# KiCad board HPM6750_COMBO_RevB .kicad_pcb (continued)
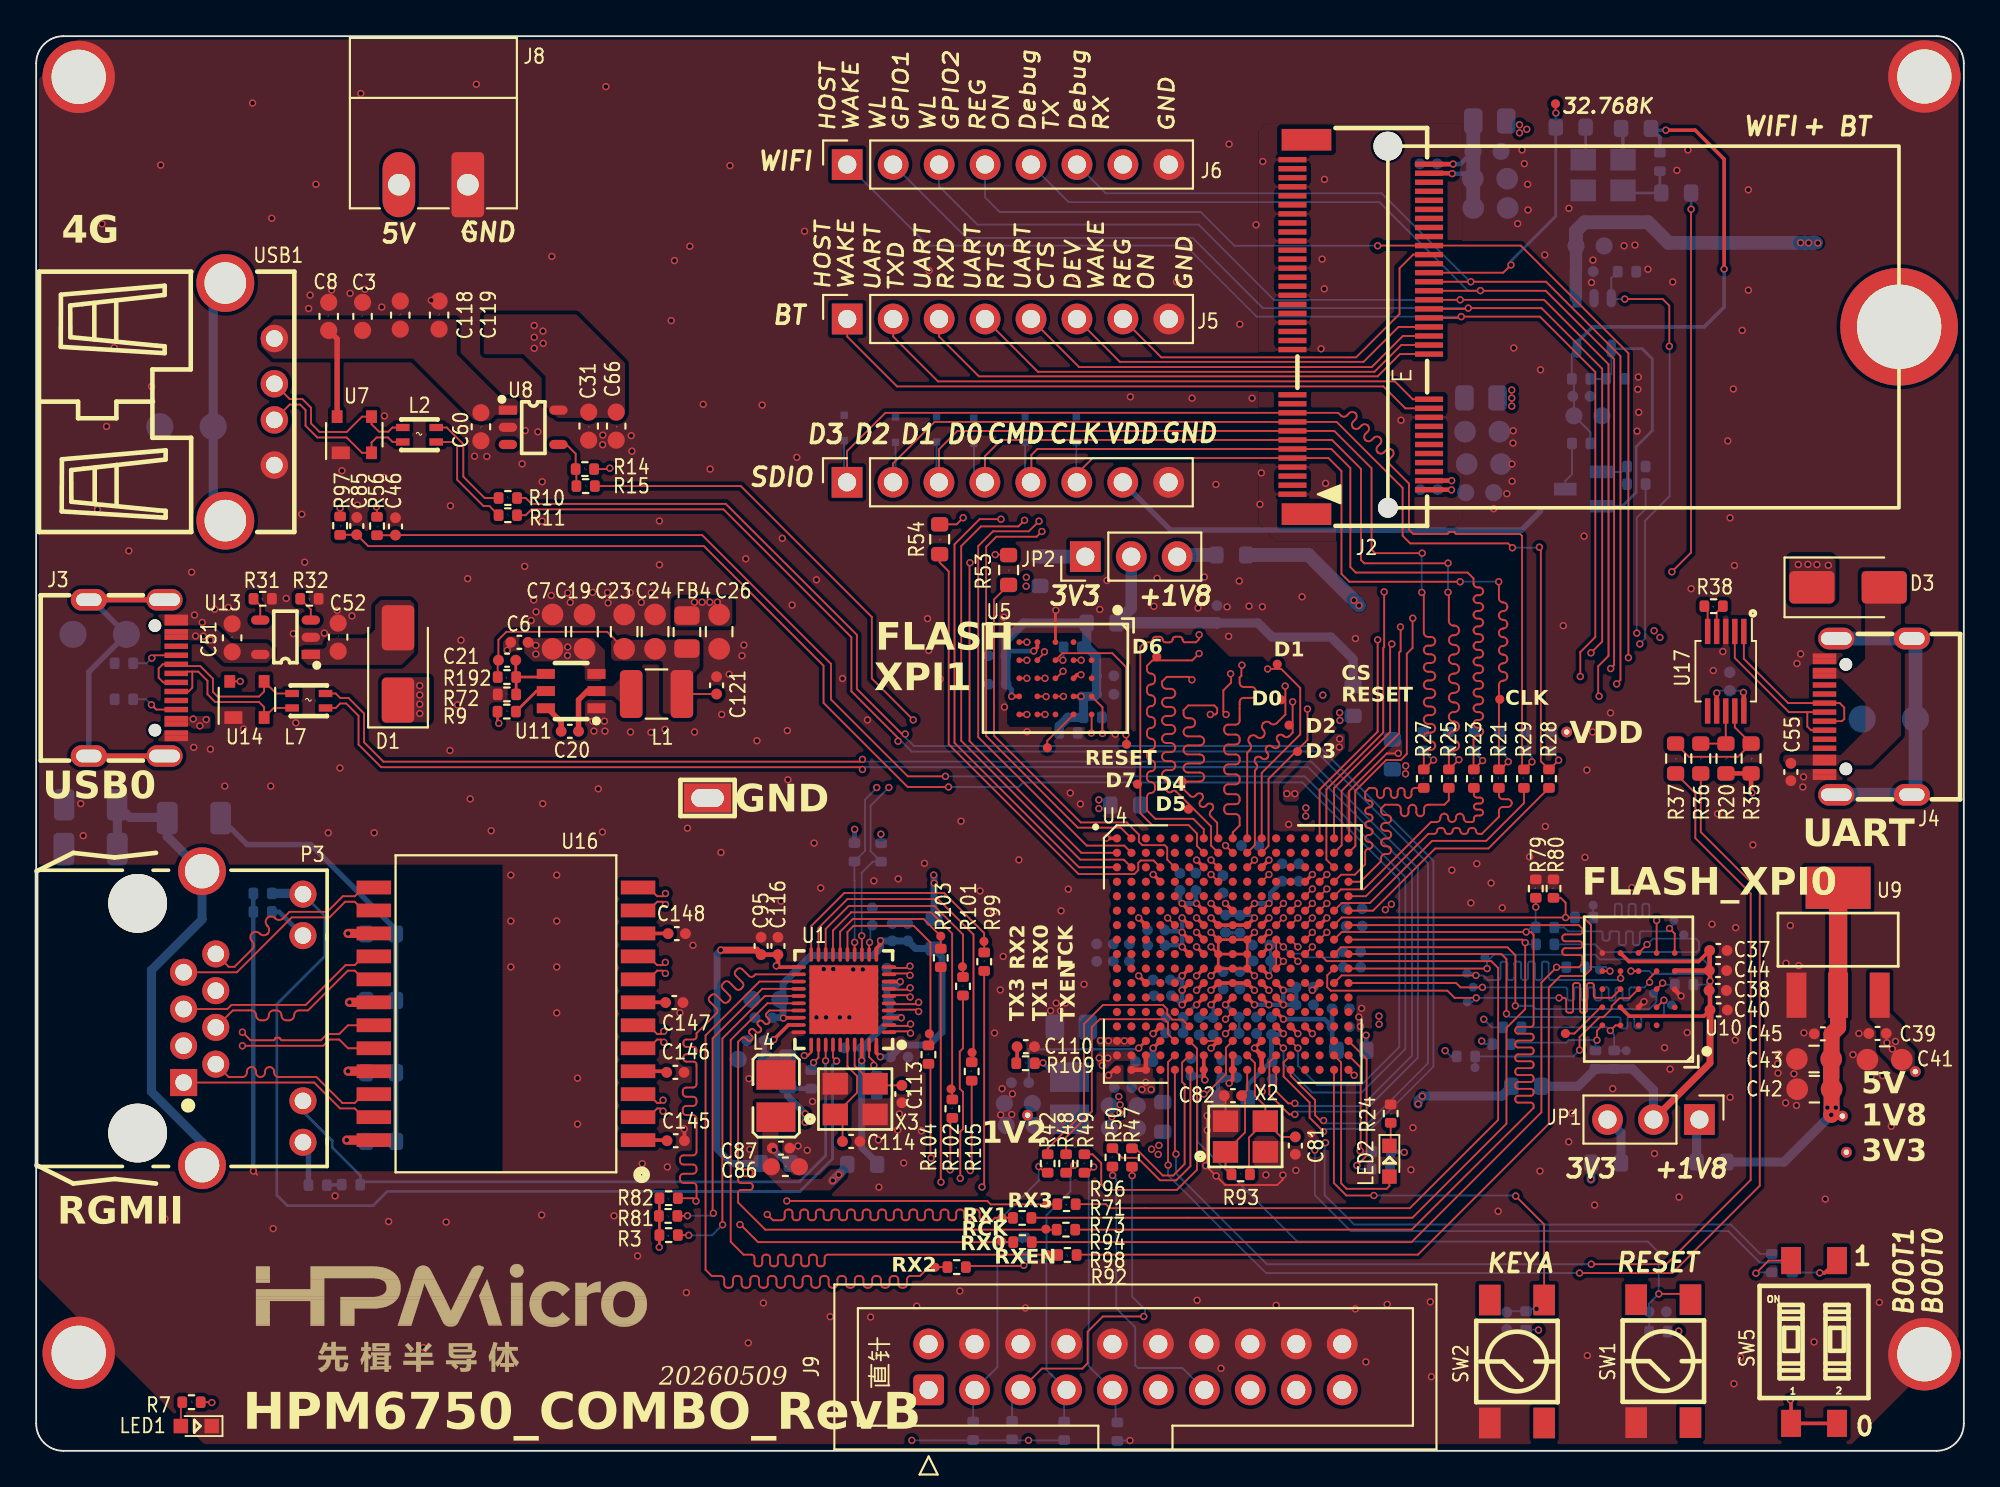
[diagram p0: board, top side]
## Routing (per net, layer and track width the routed paths; a pad name or vN(x,y) marks a point on that pad's centre or on a via; arc(x,y) is an arc through that point) (continued)
+5V: length 20.4
  Top w0.102: v1(11.28,42.55) U14.4 10.83,42.68 ; R56.1 18.84,52.17 v1(18.81,52.2) ; C6.1 27.19,44.47 ; R97.1 v1(16.8,52.13) ; 98.14,47.76 D3.1
  Top w0.15: v1(25.57,40.23) 25.5,40.3 R9.1
  Bottom w0.102: 85.1,63.8 U3.1 ; 85.12,65.23 C62.1
  Bottom w0.686: C50.1 85.12,65.23 ; C62.1 85.1,63.8
  Bottom w0.762: 98.38,66.8 90.23,66.8 89.09,67.94 85.59,67.94 85.12,67.47 C50.1
  vias: v1(21.2,42.31) v1(21.2,41.8) v1(21.2,41.29) v1(21.2,40.77) v1(27.53,62.23) v1(27.53,61.58) v1(27.53,60.97) v1(27.62,44.54) v1(27.62,44.06) v1(28.01,61.92) v1(28.03,61.24) v1(29.38,44.45) v1(29.37,43.98) v1(97.4,49.01) v1(97.53,66.81) v1(97.97,66.8) v1(97.93,49.02) v1(98.48,66.79) v1(98.43,49.01) v1(99.06,48.97) v1(102.3,22.57) v1(102.6,22.22) v1(102.77,22.64)
/01.MAIN/13.ETH_RGMII/1V0_RGMII_AVDD: length 14.9
  Top w0.203: U1.38 45.64,21.59 v1(45.63,21.58) ; v1(47.82,23.95) 47.82,23.95 U1.3 ; U1.8 v1(47.76,25.95)
  Bottom w0.102: 45.65,22.43 45.65,22.16 ; 45.64,21.59 v1(45.63,21.58) 45.65,21.6
  Bottom w0.381: 45.64,21.59 C104.1 47.19,23.83 47.19,23.97 ; v1(45.63,21.58) 45.63,16.78 46.49,15.92 FB12.1 ; 47.19,23.97 47.8,23.97 v1(47.82,23.95) ; 47.19,23.97 47.19,24.77 C88.1 47.02,24.94 C101.1 47.54,25.73 v1(47.76,25.95)
/01.MAIN/13.ETH_RGMII/1V0_RGMII_DVDD: length 18.9
  Top w0.203: 40.98,26.75 U1.21
  Top w0.254: C95.1 C116.1 41,26.91 v1(40.91,26.82)
  Top w0.381: v1(37.84,27.69) 39.82,27.69 C95.1
  Bottom w0.102: v1(40.91,26.82) 40.93,26.84
  Bottom w0.381: FB11.1 38.43,15.89 37.64,16.68 37.64,27.49 v1(37.84,27.69)
/01.MAIN/13.ETH_RGMII/3V3_RGMII_AVDD: length 4.6
  Top w0.203: v1(40.77,22.74) 41.58,23.55 U1.29
  Bottom w0.3: v1(40.77,22.74) 40.72,22.69 C89.1 40.24,21.76 C98.1 41.38,21.65 FB10.1
/01.MAIN/13.ETH_RGMII/3V3_RGMII_DVDD: length 23.1
  Top w0.102: 41.32,23.95 v1(41.3,23.93)
  Top w0.203: v1(46.66,21.79) 46.44,22.01 U1.40 ; U1.28 41.32,23.95 ; U1.11 46.44,27.78 46.67,28.01 v1(46.67,28.21)
  Bottom w0.3: v1(46.66,21.79) 47.22,21.79 C15.1
  Bottom w0.381: 41.28,23.95 41.28,25.84 42.84,27.4 46.26,27.4 46.67,27.81 v1(46.67,28.21) 46.68,28.2 C103.1 C75.1 48.6,27.78 FB9.1 ; 41.28,23.95 v1(41.3,23.93) ; 41.28,23.95 C100.1 ; C15.1 47.89,22.44 49.36,22.44 50.07,23.15 50.07,27.31 49.92,27.46
/01.MAIN/13.ETH_RGMII/VDD10: length 2.7
  Top w0.102: 40.71,18.27 L4.2
  Bottom w0.381: FB11.2 41.52,15.89 v1(40.77,16.64)
  Bottom w0.508: v1(44.03,14.95) 44.84,15.76 FB12.2
  vias: v1(44.36,15.27)
GND: length 64.3
  Top w0.102: 39.4,16.72 v1(39.45,16.67) ; v1(75.29,38.57) 74.66,38.57 72.57,36.48 72.57,33.9 U4.A17 ; v1(64.72,18.53) 64.72,15.7 v1(65.22,15.2) 65.72,14.7 68.6,14.7 68.91,15.01 v1(68.91,15.25) ; U4.U17 72.84,20.77 v1(72.85,20.77) ; 12.21,15.27 v1(12,15.48) ; U4.R7 U4.R8 ; C82.2 65.74,19.57 X2.4 ; v1(65.91,45.04) 65.95,45.04
  Top w0.152: v1(56.36,46.48) 56.34,46.46 U5.C1
  Top w0.2: U4.G10 v1(67.34,29.47) ; U4.C11 v1(68.14,32.67) ; U4.L15 v1(70.54,25.47) ; U4.D4 v1(61.74,31.87) ; U4.L11 v1(68.14,25.47) ; U4.P4 v1(61.74,23.07) ; U4.H11 v1(68.14,28.67) ; U4.U1 59.57,21.07 v1(59.27,20.77) ; U4.G11 v1(68.14,29.47) ; U4.R11 v1(67.34,22.27) ; v1(57.75,42.92) 57.54,42.92 U5.B3 ; U4.L7 v1(64.14,25.47) ; v1(59.15,33.88) 59.16,33.87 U4.A1 ; U4.P14 v1(70.54,23.07) ; U4.L3 v1(60.94,26.27) ; U4.D14 v1(70.54,31.87) ; U4.J7 v1(64.14,27.87) ; U4.J11 v1(68.14,27.87) ; v1(54.76,40.72) U5.E5 ; U4.R8 v1(64.94,22.27) ; U4.K7 v1(64.14,26.27) ; U4.G7 v1(64.14,29.47) ; U4.K11 v1(68.14,26.27) ; U4.L8 v1(64.94,25.47) ; U4.P13 v1(69.74,23.07) ; U4.G15 v1(71.34,29.47) ; U4.L10 v1(67.34,25.47) ; U4.C7 v1(64.14,32.67) ; U4.G8 v1(64.94,29.47) ; U4.H7 v1(64.14,28.67) ; U4.G3 v1(60.94,29.47)
  Top w0.203: v1(35.82,17.8) 35.83,17.79 C145.2 ; U4.G8 U4.G9 U4.G10 ; U4.L8 U4.L9 U4.L10 ; 29.56,46.88 v1(29.52,46.92)
  Top w0.254: U10.C1 90.57,25.5 v1(90.92,25.15) ; v1(88.87,24.84) 88.57,24.54 U10.B3 ; v1(67.34,22.27) U4.T11 U4.U11
  Bottom w0.102: 59.66,0.57 v1(60.46,0.57) ; 46.14,24.86 C88.2
  Bottom w0.152: v1(68.14,27.87) 68.23,27.78 C28.2 68.23,26.36 v1(68.14,26.27) ; 67.02,29.61 67.2,29.61 v1(67.34,29.47) ; 67.02,29.61 65.88,29.61 65.74,29.47 ; 67.02,29.61 C93.2
  Bottom w0.203: R157.2 16.09,14.71 16.88,14.71 R156.1
  Bottom w0.254: R154.1 12.01,29.81 R155.2 v1(12,15.48)
  Bottom w0.381: C103.2 C75.2
  vias: v1(2.46,35.79) v1(2.6,34.02) v1(3.39,52.06) v1(3.64,67.85) v1(3.89,56.65) v1(4.31,61) v1(5.12,49.77) v1(6.38,58.86) v1(6.88,71.1) v1(7.11,12.83) v1(8.59,48.59) v1(8.71,38.9) v1(8.75,46.22) v1(9.18,45.81) v1(9.63,38.8) v1(9.87,46.54) v1(10.42,36.76) v1(10.62,46.64) v1(11.46,39.92) v1(11.96,74.53) v1(13.02,68.16) v1(12.96,36.76) v1(13.1,12.29) v1(13.82,47.14) v1(14.21,45.19) v1(14.35,40.26) v1(14.68,51.79) v1(14.84,49.14) v1(15.06,63.17) v1(15.14,63.91) v1(15.46,70.04) v1(15.93,45.22) v1(16.14,34.18) v1(16.33,64.19) v1(16.52,14.1) v1(16.64,46.48) v1(16.79,37.76) v1(16.9,54.2) v1(17.35,64.01) v1(17.45,46.17) v1(17.75,52.3) v1(17.94,75.06) v1(18.17,64.23) v1(18.68,34.18) v1(19.1,63.25) v1(19.25,57.23) v1(19.23,53.83) v1(19.48,12.68) v1(21.4,5.71) v1(21.84,63.62) v1(22.66,12.65) v1(22.9,52.26) v1(22.87,38.73) v1(23.29,41.25) v1(23.48,44.83) v1(23.85,48.23) v1(23.99,36.05) v1(24.23,55) v1(24.33,75.57) v1(24.91,54.99) v1(25.15,34.29) v1(26.04,44.27) v1(26.23,31.84) v1(26.23,29.3) v1(26.23,26.76) v1(26.86,54.58) v1(27,48.91) v1(27.03,56.42) v1(27.36,45.92) v1(27.5,47.05) v1(27.63,46.4) v1(27.73,56.35) v1(27.97,53.59) v1(27.97,51.41) v1(28,35.79) v1(27.94,13.04) v1(28.5,66.05) v1(28.47,47.3) v1(28.77,31.84) v1(28.77,29.3) v1(28.77,26.76) v1(28.77,24.22) v1(29.38,47.44) v1(29.92,20.61) v1(29.92,18.07) v1(30.76,47.47) v1(30.77,40.35) v1(30.83,39.8) v1(31.07,36.61) v1(31.32,56.17) v1(31.31,55.64) v1(31.3,34.22) v1(31.41,40.35) v1(31.49,75.44) v1(31.44,39.8) v1(31.58,47.46) v1(31.61,46.89) v1(31.94,13) v1(32.89,56.14) v1(32.93,55.28) v1(32.83,47.46) v1(32.85,39.75) v1(33.24,10.78) v1(33.45,46.92) v1(33.5,15.88) v1(34,47.44) v1(33.98,39.73) v1(34.45,51.42) v1(34.45,49) v1(34.76,39.9) v1(34.89,15.7) v1(35.1,62.5) v1(35.28,65.82) v1(35.58,24.22) v1(36,34.43) v1(35.94,8.75) v1(36.13,66.61) v1(36.3,27.96) v1(36.39,39.75) v1(36.87,57.87) v1(37.25,54.29) v1(37.89,40.72) v1(37.85,33.09) v1(38.3,42.94) v1(38.35,71.07) v1(39.01,43.97) v1(39.12,44.56) v1(39.22,49.33) v1(39.4,20.58) v1(39.36,5.97) v1(39.84,39.27) v1(40.13,57.83) v1(40.2,8.18) v1(41.17,30.4) v1(41.24,50.46) v1(41.52,39.83) v1(41.55,37.11) v1(41.78,46.77) v1(42.04,54.94) v1(42.11,16.86) v1(42.47,67.44) v1(42.62,16.62) v1(42.91,19.32) v1(43,33.61) v1(43.13,48.17) v1(43.13,23.97) v1(43.36,31.13) v1(43.53,26.64) v1(43.66,23.97) v1(43.89,7.42) v1(44.06,26.64) v1(44.42,23.97) v1(44.57,42.71) v1(44.95,23.97) v1(45.16,26.62) v1(45.69,26.62) v1(45.95,40.42) v1(46.12,7.4) v1(46.3,31.52) v1(46.55,17.19) v1(46.58,14.58) v1(47.62,17.74) v1(47.65,31.63) v1(47.71,18.63) v1(47.95,15.92) v1(48.67,8) v1(48.93,17.7) v1(49.1,32.49) v1(49.27,46.02) v1(49.36,65.27) v1(49.33,44.26) v1(49.97,42.68) v1(51.12,34.82) v1(51.05,8.84) v1(52.17,30.96) v1(52.93,29.82) v1(52.97,23.11) v1(53.29,25.49) v1(53.31,18.58) v1(53.39,20.03) v1(53.48,46.1) v1(53.52,41.13) v1(53.45,27.34) v1(53.92,18.6) v1(53.96,19.74) v1(54.32,32.68) v1(54.68,7.9) v1(54.77,39.76) v1(56.07,24.34) v1(56.38,24.76) v1(56.62,24.33) v1(56.65,29.86) v1(56.89,24.76) v1(57.05,31.06) v1(57.16,36.38) v1(57.47,64.85) v1(57.72,35.77) v1(57.92,25.8) v1(58.79,46.53) v1(59.19,48.13) v1(59.65,39.63) v1(60.48,58.29) v1(61.78,46.7) v1(61.96,48.25) v1(63.03,64.65) v1(63.89,58.21) v1(64.22,46.61) v1(64.17,8.33) v1(64.57,48.32) v1(64.73,17.73) v1(64.64,15.77) v1(65.21,53.44) v1(65.49,4.56) v1(65.83,46.67) v1(65.94,72.26) v1(66.5,48.1) v1(66.53,62.3) v1(67.04,46.71) v1(67.21,58.21) v1(67.43,67.8) v1(67.72,54.08) v1(67.64,52.34) v1(67.8,71.3) v1(67.78,46.68) v1(67.76,19.87) v1(67.97,15.26) v1(68.54,8.05) v1(69.23,34.64) v1(69.63,15.51) v1(69.97,47.23) v1(70.47,17.52) v1(71.03,60.94) v1(71.08,65.9) v1(71.21,70.31) v1(71.2,64.26) v1(71.27,53.5) v1(72.92,44.92) v1(72.92,7.85) v1(73.11,23.99) v1(73.2,23.47) v1(73.26,24.47) v1(73.5,4.92) v1(74.68,8.1) v1(75.44,56.99) v1(75.99,15.54) v1(76.1,17.87) v1(77.06,8.24) v1(77.12,4.1) v1(78.25,32.11) v1(79.3,30.3) v1(79.63,32.47) v1(80.42,31.4) v1(80.56,52.1) v1(80.81,13.25) v1(81.04,30.03) v1(81.29,52.93) v1(81.63,55.73) v1(81.57,54.57) v1(81.58,53.62) v1(81.67,60.99) v1(81.64,56.41) v1(81.89,67.86) v1(82.13,71.94) v1(82.26,71.18) v1(82.44,70.04) v1(82.46,68.62) v1(82.55,32.84) v1(83.12,15.47) v1(83.15,59.78) v1(83.39,66.14) v1(83.42,34.53) v1(84.41,45.63) v1(84.72,68.71) v1(84.71,17.09) v1(84.89,18.67) v1(85.56,50.58) v1(85.61,32.82) v1(85.71,37.65) v1(85.74,5.27) v1(85.84,31.68) v1(85.97,64.61) v1(86.05,65.85) v1(86.03,39.75) v1(86.14,13.59) v1(87.02,40.81) v1(87.14,20.03) v1(87.77,66.64) v1(88.2,31.15) v1(88.37,66.68) v1(88.49,56.39) v1(88.56,59.38) v1(88.53,58.7) v1(88.58,57.43) v1(89.09,65.34) v1(89.45,16.44) v1(90.01,22.3) v1(90.31,21.11) v1(90.46,64.64) v1(90.69,70.81) v1(90.81,14.03) v1(91.3,71.94) v1(91.26,23.13) v1(91.48,47.68) v1(92.63,29.12) v1(92.7,43.15) v1(92.94,35.23) v1(93.23,44.2) v1(93.5,55.85) v1(93.63,19.55) v1(93.63,51.6) v1(93.81,58.72) v1(93.87,48.96) v1(93.91,22.71) v1(93.84,3.71) v1(93.94,28.93) v1(94.21,5.17) v1(94.3,61.96) v1(94.64,69.74) v1(94.64,64.18) v1(94.89,33.51) v1(96.32,21.96) v1(96.26,21.4) v1(96.28,20.89) v1(96.72,26.96) v1(96.7,19.24) v1(96.96,29.05) v1(97.16,20.85) v1(97.33,43.54) v1(97.3,19.1) v1(97.43,26.83) v1(97.53,44.07) v1(97.69,37.27) v1(97.65,36.71) v1(97.71,23.12) v1(98.27,6.02) v1(98.89,13.92) v1(100.42,21.91) v1(100.75,23.08) v1(101.42,20.71) v1(101.88,8.21) v1(102.06,20.75) v1(102.54,17.95)
GND1: length 27.8
  Bottom w0.5: C149.2 4.48,35.72 R95.1 5.17,35.03 7.2,35.03 C150.1 7.24,33.98 P3.0 9.17,29.38 6.37,26.58 6.37,19.86 9.17,17.07 P3.0
VDD_FALSH_XPI1: length 19.6
  Bottom w0.508: 72.56,42.3 R62.1 72.79,43.78 71.57,45 68.31,45 67.53,45.78 C30.1
  Bottom w0.635: C30.1 65.26,45.79 59.73,45.79 R63.2 60.53,46.6 JP2.2
VDD_FLASH_XPI0: length 33.5
  Top w0.203: U10.E4 88.04,27.06 91.89,27.06 C37.1 ; C40.1 92.18,24.04 88.06,24.04 U10.B4
  Top w0.254: C44.1 92.5,26.58 C37.1 ; C44.1 90.6,26.56 U10.D1 ; C44.1 92.52,26.52 v1(92.52,25.98) C40.1
  Top w0.381: 89.39,18.32 92.52,21.45 C40.1
  Bottom w0.102: v1(92.52,25.98) 92.32,25.78 R13.1
  Bottom w0.3: v1(92.52,25.98) 92.47,25.93 C38.1
  Bottom w0.508: 89.39,18.32 89.39,19.96 88.23,21.12 R4.1 R12.1 85.23,20.16 R64.1 83.22,20.14
VDD_PMCCAP: length 2.6
  Top w0.2: U4.M9 v1(65.74,24.67)
  Bottom w0.102: 65.74,24.55 v1(65.74,24.67)
  Bottom w0.152: C27.1 C36.1
  Bottom w0.254: C27.1 66.43,23.98 v1(65.74,24.67)
VDD_SDIO_BT: length 54.4
  Top w0.2: v1(93.3,65.35) 93.3,71.43 91.7,73.03 v1(90.08,73.03)
  Bottom w0.102: R40.2 85.91,56.32 C64.1 85,59.16 R30.2 84.88,60.67 U3.5 ; R17.2 83.9,39.93
  Bottom w0.2: R69.2 89.75,72.64 R68.2 89.35,73.03 v1(90.08,73.03) ; U3.5 85.16,61.29 86.02,62.15 92.2,62.15 93.3,63.25 v1(93.3,65.35)
  Bottom w0.3: 83.16,51.97 82.11,50.92 62.7,50.92 J1.7
  vias: v1(69.13,36.34) v1(69.57,36.34) v1(72.05,39.37) v1(72.03,38.91)
VDD_SOC: length 20.2
  Top w0.15: U4.K10 U4.J10 ; U4.K10 U4.K9 U4.K8 ; U4.K10 v1(67.34,26.27) ; U4.J10 U4.J8 ; U4.J10 U4.H10 ; U4.K8 U4.J8 ; U4.K8 v1(64.94,26.27) ; U4.J8 v1(64.94,27.87) ; U4.J8 U4.H8 ; U4.H8 v1(64.94,28.67) ; U4.H8 U4.H10 ; U4.H10 v1(67.34,28.67) ; U4.R3 v1(60.94,22.27)
  Bottom w0.127: C105.1 54.87,22.21 54.87,22.2 60.87,22.2 v1(60.94,22.27)
  Bottom w0.203: C93.1 65.76,28.65 C83.1
+5P: length 5.3
  Top w0.102: 13.38,61.29 USB1.1
  Top w0.3: U7.4 16.63,61.5 C8.1
/01.MAIN/02.MCU_POWER/VREFH: length 5.4
  Top w0.2: U4.P12 v1(68.94,23.07)
  Bottom w0.102: 68.28,21.56 C109.1
  Bottom w0.254: v1(68.94,23.07) 68.89,23.02 C108.1 68.28,21.56 66.97,20.26 FB5.2
/01.MAIN/05.MCU_PB&PC&PD/VIO_B03: length 3.4
  Top w0.2: U4.F7 v1(64.14,30.27) ; U4.F6 v1(63.34,30.27)
  Bottom w0.254: C72.2 64.1,30.31 v1(64.14,30.27) v1(63.34,30.27) 63.22,30.39 C71.1
  vias: v1(58.74,36) v1(58.74,35.52)
/01.MAIN/05.MCU_PB&PC&PD/VIO_B04: length 1.9
  Top w0.2: U4.F8 v1(64.94,30.27) ; U4.F9 v1(65.74,30.27)
  POWER3 w0.102: v1(65.74,30.27) v1(64.94,30.27)
  vias: v1(70.18,35.55) v1(70.17,35.1) v1(72.05,40.82) v1(72.06,40.39)
/01.MAIN/06.MCU_PE&PD/B06: length 1.1
  Top w0.102: U4.G12 v1(68.94,29.47) ; U4.F12 v1(68.94,30.27)
  vias: v1(74.58,29.93) v1(74.91,30.23) v1(75.7,37.88) v1(75.69,37.44)
/01.MAIN/06.MCU_PE&PD/B07: length 13.6
  Top w0.102: v1(68.94,27.87) U4.H12 U4.J12 ; U4.J12 v1(68.94,27.07) U4.K12 U4.J12
  POWER3 w0.102: v1(68.94,27.87) v1(68.94,27.07) 68.94,27.05
  Bottom w0.102: C78.1 71.95,27.29 70.3,27.29 70.1,27.49 69.32,27.49 v1(68.94,27.87) ; 74.22,23.6 v1(74.23,23.59)
  Bottom w0.152: 68.95,27.86 v1(68.94,27.87) ; 69.02,26.99 v1(68.94,27.07)
  Bottom w0.508: v1(76.39,19.18) 76.39,19.38 v1(76.62,19.61) 76.63,19.62 81,19.62 R64.2
  vias: v1(74.22,24.04)
/01.MAIN/08.MCU_PY&PZ/BTPCAP: length 2.1
  Top w0.2: U4.M8 v1(64.94,24.67)
  Bottom w0.203: C115.1 C117.1 65.06,24.55 v1(64.94,24.67)
/01.MAIN/08.MCU_PY&PZ/OTPCAP: length 2.5
  Top w0.2: U4.M7 v1(64.14,24.67)
  Bottom w0.2: v1(64.14,24.67) 64.1,24.67 C16.1 63.4,23.12 C17.1
/01.MAIN/9.USB&4G/DN1: length 11.2
  Top w0.102: J3.A7 7.03,42.49 6.77,42.75 6.77,43.27 6.99,43.49 J3.B7 8.24,43.49 8.34,43.39 9.08,43.39 9.77,42.7 9.77,41.96 10.02,41.71 12.32,41.71 12.6,41.99 U14.3 13.27,41.88 L7.1
/01.MAIN/9.USB&4G/DP1: length 10.4
  Top w0.102: J3.B6 8.42,41.99 8.63,42.2 8.63,43.09 ; 8.63,43.09 8.34,43.09 8.24,42.99 J3.A6 ; 8.63,43.09 8.96,43.09 9.47,42.58 9.47,41.84 9.9,41.41 12.32,41.41 12.6,41.13 U14.2 13.13,41.08 L7.4
/01.MAIN/9.USB&4G/USB0+: length 9.8
  Top w0.102: L2.4 19.7,55.79 19.45,56.04 18.82,56.04 18.53,55.75 U7.2 18.01,55.19 17.16,56.04 15.54,56.04 14.89,56.69 14.89,57.56 14.59,57.86 14.01,57.86 USB1.3
/01.MAIN/9.USB&4G/USB0-: length 9.7
  Top w0.102: USB1.2 14.01,58.16 14.71,58.16 15.19,57.68 15.19,56.81 15.66,56.34 17.16,56.34 18.01,57.19 U7.3 18.53,56.78 18.95,56.36 19.47,56.36 19.7,56.59 L2.1
/01.MAIN/13.ETH_RGMII/G0_ACTIVITY: length 38.5
  Top w0.102: U1.33 43.64,21.58 v1(43.63,21.57)
  Bottom w0.152: P3.10 14.75,18.76 16.37,17.14 16.37,16.77 17.93,15.21 17.93,14.74 R156.2 18.07,14.88 42.19,14.88 43.63,16.32 v1(43.63,21.57)
/01.MAIN/13.ETH_RGMII/G0_DA+: length 11.3
  Top w0.102: U16.23 18.09,18.45 17.61,18.93 16.8,18.93 15.36,20.37 P3.1
/01.MAIN/13.ETH_RGMII/G0_DA-: length 11.2
  Top w0.102: P3.2 10.64,20.67 11.39,20.67 arc(11.57,20.75) 11.64,20.92 11.64,20.97 arc(11.72,21.15) 11.9,21.22 arc(12.07,21.15) 12.15,20.97 12.15,20.92 arc(12.22,20.75) 12.4,20.67 arc(12.58,20.75) 12.65,20.92 12.65,20.97 arc(12.72,21.15) 12.9,21.22 arc(13.08,21.15) 13.15,20.97 13.15,20.92 arc(13.23,20.75) 13.41,20.67 15.49,20.67 16.92,19.24 17.61,19.24 18.09,19.72 U16.22
/01.MAIN/13.ETH_RGMII/G0_DB+: length 10.9
  Top w0.102: v1(11.4,22.4) 15.87,22.4 16.21,22.74 16.75,22.74 17.23,22.26 U16.20
  POWER3 w0.102: v1(11.4,22.4) P3.3
/01.MAIN/13.ETH_RGMII/G0_DB-: length 10.9
  Top w0.102: v1(11.4,23.15) 11.85,22.7 13.13,22.7 arc(13.18,22.72) 13.2,22.77 arc(13.22,22.82) 13.27,22.84 13.43,22.84 arc(13.48,22.82) 13.5,22.77 arc(13.52,22.72) 13.57,22.7 15.74,22.7 16.09,23.05 16.75,23.05 17.23,23.53 U16.19
  POWER3 w0.102: v1(11.4,23.15) 11.4,23.98 P3.6
/01.MAIN/13.ETH_RGMII/G0_DC+: length 11.5
  Top w0.102: U16.17 18.09,26.07 17.61,26.55 17.23,26.55 15.03,24.36 14.53,24.36 arc(14.34,24.28) 14.26,24.08 arc(14.18,23.89) 13.98,23.81 13.83,23.81 arc(13.64,23.89) 13.56,24.08 arc(13.48,24.28) 13.28,24.36 13.13,24.36 arc(12.94,24.28) 12.86,24.08 arc(12.78,23.89) 12.58,23.81 12.43,23.81 arc(12.24,23.89) 12.16,24.08 arc(12.08,24.28) 11.88,24.36 10.87,24.36 P3.4
/01.MAIN/13.ETH_RGMII/G0_DC-: length 11.7
  Top w0.102: U16.16 18.09,27.34 17.61,26.86 17.1,26.86 14.9,24.66 10.8,24.66 10.57,24.43 P3.5
/01.MAIN/13.ETH_RGMII/G0_DD+: length 12.3
  Top w0.102: P3.7 11.09,26.46 14.13,29.5 16.21,29.5 17.08,30.36 17.61,30.36 18.09,29.88 U16.14
/01.MAIN/13.ETH_RGMII/G0_DD-: length 12.3
  Top w0.102: U16.13 18.09,31.15 17.61,30.67 16.95,30.67 16.09,29.81 14,29.81 13.64,29.44 arc(13.43,29.36) 13.22,29.44 13.2,29.46 arc(12.98,29.55) 12.77,29.46 arc(12.68,29.25) 12.77,29.04 12.79,29.02 arc(12.88,28.81) 12.79,28.6 arc(12.58,28.51) 12.37,28.6 12.35,28.62 arc(12.14,28.7) 11.92,28.62 arc(11.84,28.4) 11.92,28.19 11.94,28.17 arc(12.03,27.96) 11.94,27.75 10.97,26.77 10.64,26.77 P3.8
/01.MAIN/13.ETH_RGMII/G0_LINK: length 58.4
  Top w0.102: v1(44.24,21.56) 44.04,21.76 U1.34
  Bottom w0.152: P3.12 15.96,29.57 15.96,27.36 13.3,24.7 13.3,14.14 13.88,13.56 18.62,13.56 19.41,14.35 42.22,14.35 44.02,16.15 44.02,21.34 v1(44.24,21.56)
  Bottom w0.508: R154.2 14.71,30.82
/01.MAIN/13.ETH_RGMII/G0_MDI0N: length 18.4
  Top w0.102: v1(34.65,19.39) 34.5,19.24 34.32,19.24 33.84,19.72 U16.3 ; v1(48.33,23.6) 48.23,23.5 47.19,23.5 U1.2
  POWER3 w0.102: v1(34.65,19.39) 34.8,19.24 35.06,19.24 39.33,23.5 48.23,23.5 v1(48.33,23.6)
/01.MAIN/13.ETH_RGMII/G0_MDI0P: length 18.4
  Top w0.102: v1(48.33,23.09) 48.23,23.2 47.19,23.2 U1.1 ; v1(34.65,18.78) 34.5,18.93 34.32,18.93 33.84,18.45 U16.2
  POWER3 w0.102: v1(34.65,18.78) 34.8,18.93 35.19,18.93 39.45,23.2 48.23,23.2 v1(48.33,23.09)
/01.MAIN/13.ETH_RGMII/G0_MDI1N: length 18.3
  Top w0.102: U1.5 47.19,24.7 48.68,24.7 v1(48.78,24.8) ; U16.6 33.84,23.53 34.32,23.05 34.54,23.05 v1(34.69,23.2)
  POWER3 w0.102: v1(34.69,23.2) 34.84,23.05 36.63,23.05 38.29,24.7 48.68,24.7 v1(48.78,24.8)
/01.MAIN/13.ETH_RGMII/G0_MDI1P: length 18.3
  Top w0.102: v1(48.78,24.3) 48.68,24.4 47.19,24.4 U1.4 ; v1(34.69,22.59) 34.54,22.74 34.32,22.74 33.84,22.26 U16.5
  POWER3 w0.102: v1(48.78,24.3) 48.68,24.4 38.41,24.4 36.76,22.74 34.84,22.74 v1(34.69,22.59)
/01.MAIN/13.ETH_RGMII/G0_MDI2N: length 17.2
  Top w0.102: U1.7 47.19,25.5 48.21,25.5 v1(48.31,25.6) ; U16.9 33.84,27.34 34.32,26.86 34.62,26.86 v1(34.78,27.01)
  POWER3 w0.102: v1(34.78,27.01) 34.93,26.86 39.84,26.86 41.19,25.5 48.21,25.5 v1(48.31,25.6)
/01.MAIN/13.ETH_RGMII/G0_MDI2P: length 17.2
  Top w0.102: v1(48.31,25.1) 48.21,25.2 47.19,25.2 U1.6 ; U16.8 33.84,26.07 34.32,26.55 34.62,26.55 v1(34.78,26.4)
  POWER3 w0.102: v1(34.78,26.4) 34.93,26.55 39.71,26.55 41.07,25.2 48.21,25.2 v1(48.31,25.1)
/01.MAIN/13.ETH_RGMII/G0_MDI3N: length 18.7
  Top w0.102: U1.10 47.19,26.7 48.2,26.7 v1(48.3,26.8) ; v1(34.78,30.82) 34.63,30.67 34.32,30.67 33.84,31.15 U16.12
  POWER3 w0.102: v1(48.3,26.8) 48.2,26.7 47.2,26.7 46.73,26.23 42.72,26.23 38.29,30.67 34.93,30.67 v1(34.78,30.82)
/01.MAIN/13.ETH_RGMII/G0_MDI3P: length 18.7
  Top w0.102: U16.11 33.84,29.88 34.32,30.36 34.63,30.36 v1(34.78,30.21) ; U1.9 47.19,26.4 48.2,26.4 v1(48.3,26.3)
  POWER3 w0.102: v1(48.3,26.3) 48.2,26.4 47.32,26.4 46.85,25.93 42.6,25.93 38.16,30.36 34.93,30.36 v1(34.78,30.21)
/01.MAIN/13.ETH_RGMII/RX0: length 34.7
  Top w0.102: R3.1 36.06,11.93 v1(36.07,11.92) ; v1(38.9,12.51) 38.93,12.51 39.9,11.54 R94.2 ; U1.25 40.28,25.15 37.93,22.8 37.93,12.51 v1(37.94,12.5)
  POWER3 w0.102: v1(37.94,12.5) 38.89,12.5 v1(38.9,12.51)
  Bottom w0.102: v1(37.94,12.5) 37.36,11.92 v1(36.07,11.92)
/01.MAIN/13.ETH_RGMII/RX1: length 46
  Top w0.102: U1.24 40.13,25.55 37.39,22.81 37.39,13.18 v1(37.43,13.14) ; v1(36,13) 35.99,12.99 R81.1 ; R71.2 53.98,12.89 53,12.89 52.86,12.75 52.32,12.75 arc(52.2,12.8) 52.15,12.92 52.15,13.17 arc(52.1,13.29) 51.98,13.34 51.89,13.34 arc(51.77,13.29) 51.72,13.17 51.72,12.92 arc(51.67,12.8) 51.54,12.75 51.46,12.75 arc(51.34,12.8) 51.29,12.92 51.29,13.17 arc(51.23,13.29) 51.11,13.34 51.03,13.34 arc(50.9,13.29) 50.85,13.17 50.85,12.92 arc(50.8,12.8) 50.68,12.75 50.6,12.75 arc(50.47,12.8) 50.42,12.92 50.42,13.17 arc(50.37,13.29) 50.25,13.34 50.16,13.34 arc(50.04,13.29) 49.99,13.17 49.99,12.92 arc(49.94,12.8) 49.82,12.75 49.73,12.75 arc(49.61,12.8) 49.56,12.92 49.56,13.17 arc(49.51,13.29) 49.39,13.34 49.3,13.34 arc(49.18,13.29) 49.13,13.17 49.13,12.92 arc(49.08,12.8) 48.96,12.75 48.87,12.75 arc(48.75,12.8) 48.7,12.92 48.7,13.17 arc(48.65,13.29) 48.53,13.34 48.44,13.34 arc(48.32,13.29) 48.27,13.17 48.27,12.92 arc(48.22,12.8) 48.1,12.75 48.01,12.75 arc(47.89,12.8) 47.84,12.92 47.84,13.17 arc(47.79,13.29) 47.66,13.34 47.58,13.34 arc(47.46,13.29) 47.41,13.17 47.41,12.92 arc(47.36,12.8) 47.23,12.75 47.15,12.75 arc(47.03,12.8) 46.98,12.92 46.98,13.17 arc(46.92,13.29) 46.8,13.34 46.72,13.34 arc(46.59,13.29) 46.54,13.17 46.54,12.92 arc(46.49,12.8) 46.37,12.75 46.29,12.75 arc(46.16,12.8) 46.11,12.92 46.11,13.17 arc(46.06,13.29) 45.94,13.34 45.85,13.34 arc(45.73,13.29) 45.68,13.17 45.68,12.92 arc(45.63,12.8) 45.51,12.75 45.42,12.75 arc(45.3,12.8) 45.25,12.92 45.25,13.17 arc(45.2,13.29) 45.08,13.34 44.99,13.34 arc(44.87,13.29) 44.82,13.17 44.82,12.92 arc(44.77,12.8) 44.65,12.75 44.56,12.75 arc(44.44,12.8) 44.39,12.92 44.39,13.17 arc(44.34,13.29) 44.22,13.34 44.13,13.34 arc(44.01,13.29) 43.96,13.17 43.96,12.92 arc(43.91,12.8) 43.79,12.75 43.7,12.75 arc(43.58,12.8) 43.53,12.92 43.53,13.17 arc(43.48,13.29) 43.35,13.34 43.27,13.34 arc(43.15,13.29) 43.1,13.17 43.1,12.92 arc(43.05,12.8) 42.92,12.75 42.84,12.75 arc(42.72,12.8) 42.67,12.92 42.67,13.17 arc(42.61,13.29) 42.49,13.34 42.41,13.34 arc(42.28,13.29) 42.23,13.17 42.23,12.92 arc(42.18,12.8) 42.06,12.75 41.98,12.75 arc(41.85,12.8) 41.8,12.92 41.8,13.17 arc(41.75,13.29) 41.63,13.34 41.54,13.34 arc(41.42,13.29) 41.37,13.17 41.37,12.92 arc(41.32,12.8) 41.2,12.75 40.73,12.75 v1(40.41,13.07)
  POWER3 w0.102: v1(40.41,13.07) 40.34,13.14 v1(37.43,13.14)
  Bottom w0.102: v1(36,13) 37.29,13 v1(37.43,13.14)
/01.MAIN/13.ETH_RGMII/RX2: length 43.7
  Top w0.102: U1.23 39.98,25.95 37,22.97 37,10.01 37.34,9.67 37.84,9.67 arc(37.98,9.61) 38.03,9.48 38.03,9.21 arc(38.09,9.08) 38.22,9.02 38.32,9.02 arc(38.46,9.08) 38.51,9.21 38.51,9.48 arc(38.57,9.61) 38.71,9.67 38.8,9.67 arc(38.94,9.61) 38.99,9.48 38.99,9.21 arc(39.05,9.08) 39.19,9.02 39.28,9.02 arc(39.42,9.08) 39.48,9.21 39.48,9.48 arc(39.53,9.61) 39.67,9.67 39.76,9.67 arc(39.9,9.61) 39.96,9.48 39.96,9.21 arc(40.01,9.08) 40.15,9.02 40.24,9.02 arc(40.38,9.08) 40.44,9.21 40.44,9.48 arc(40.49,9.61) 40.63,9.67 40.73,9.67 arc(40.86,9.61) 40.92,9.48 40.92,9.21 arc(40.97,9.08) 41.11,9.02 41.21,9.02 arc(41.34,9.08) 41.4,9.21 41.4,9.48 arc(41.46,9.61) 41.59,9.67 41.69,9.67 arc(41.82,9.61) 41.88,9.48 41.88,9.21 arc(41.94,9.08) 42.07,9.02 42.17,9.02 arc(42.31,9.08) 42.36,9.21 42.36,9.48 arc(42.42,9.61) 42.55,9.67 42.65,9.67 arc(42.79,9.61) 42.84,9.48 42.84,9.21 arc(42.9,9.08) 43.03,9.02 43.13,9.02 arc(43.27,9.08) 43.32,9.21 43.32,9.48 arc(43.38,9.61) 43.52,9.67 43.61,9.67 arc(43.75,9.61) 43.8,9.48 43.8,9.21 arc(43.86,9.08) 44,9.02 44.09,9.02 arc(44.23,9.08) 44.29,9.21 44.29,9.48 arc(44.34,9.61) 44.48,9.67 44.57,9.67 arc(44.71,9.61) 44.77,9.48 44.77,9.21 arc(44.82,9.08) 44.96,9.02 45.05,9.02 arc(45.19,9.08) 45.25,9.21 45.25,9.48 arc(45.3,9.61) 45.44,9.67 45.54,9.67 arc(45.67,9.61) 45.73,9.48 45.73,9.21 arc(45.78,9.08) 45.92,9.02 46.02,9.02 arc(46.15,9.08) 46.21,9.21 46.21,9.48 arc(46.27,9.61) 46.4,9.67 46.5,9.67 arc(46.63,9.61) 46.69,9.48 46.69,9.21 arc(46.75,9.08) 46.88,9.02 46.98,9.02 arc(47.12,9.08) 47.17,9.21 47.17,9.48 arc(47.23,9.61) 47.36,9.67 47.46,9.67 arc(47.6,9.61) 47.65,9.48 47.65,9.21 arc(47.71,9.08) 47.84,9.02 47.94,9.02 arc(48.08,9.08) 48.13,9.21 48.13,9.48 arc(48.18,9.6) 48.29,9.67 48.85,9.67 49.34,10.16 R92.2
/01.MAIN/13.ETH_RGMII/RX3: length 49.7
  Top w0.102: R96.2 56.43,13.63 52.76,13.63 52.57,13.82 v1(41.49,13.82) ; R82.1 36.31,13.97 v1(36.47,13.81) 36.5,13.84 36.5,14.63 arc(36.44,14.76) 36.31,14.82 35.78,14.82 arc(35.64,14.87) 35.59,15.01 35.59,15.13 arc(35.64,15.27) 35.78,15.32 36.31,15.32 arc(36.44,15.38) 36.5,15.51 36.5,15.64 arc(36.44,15.78) 36.31,15.83 35.78,15.83 arc(35.64,15.89) 35.59,16.02 35.59,16.15 arc(35.64,16.28) 35.78,16.34 36.31,16.34 arc(36.44,16.4) 36.5,16.53 36.5,18.38 arc(36.44,18.51) 36.31,18.57 35.93,18.57 arc(35.79,18.62) 35.74,18.76 35.74,18.88 arc(35.79,19.02) 35.93,19.07 36.31,19.07 arc(36.44,19.13) 36.5,19.26 36.5,19.39 arc(36.44,19.53) 36.31,19.58 35.93,19.58 arc(35.79,19.64) 35.74,19.77 35.74,19.9 arc(35.79,20.03) 35.93,20.09 36.31,20.09 arc(36.44,20.15) 36.5,20.28 36.5,21.37 arc(36.46,21.48) 36.35,21.52 35.93,21.52 arc(35.82,21.57) 35.78,21.68 35.78,21.78 arc(35.82,21.89) 35.93,21.93 36.35,21.93 arc(36.46,21.98) 36.5,22.08 36.5,22.19 arc(36.46,22.29) 36.35,22.34 35.93,22.34 arc(35.82,22.38) 35.78,22.49 35.78,22.59 arc(35.82,22.7) 35.93,22.75 36.35,22.75 arc(36.46,22.79) 36.5,22.9 36.5,23.09 37.6,24.19 arc(37.66,24.33) 37.6,24.46 37.23,24.84 arc(37.17,24.97) 37.23,25.11 37.32,25.2 arc(37.45,25.25) 37.59,25.2 37.96,24.82 arc(38.1,24.77) 38.23,24.82 38.32,24.91 arc(38.38,25.05) 38.32,25.18 37.95,25.56 arc(37.89,25.69) 37.95,25.83 38.04,25.92 arc(38.17,25.97) 38.31,25.92 38.68,25.54 arc(38.82,25.49) 38.95,25.54 39.04,25.63 arc(39.1,25.77) 39.04,25.9 38.67,26.28 arc(38.61,26.41) 38.67,26.55 38.76,26.64 arc(38.89,26.69) 39.03,26.64 39.4,26.26 arc(39.54,26.2) 39.67,26.26 39.76,26.35 U1.22
  POWER3 w0.102: v1(36.47,13.81) 36.48,13.82 v1(41.49,13.82)